# Allegro board HI3516AREFB_VER_B_PCB.brd (continued)
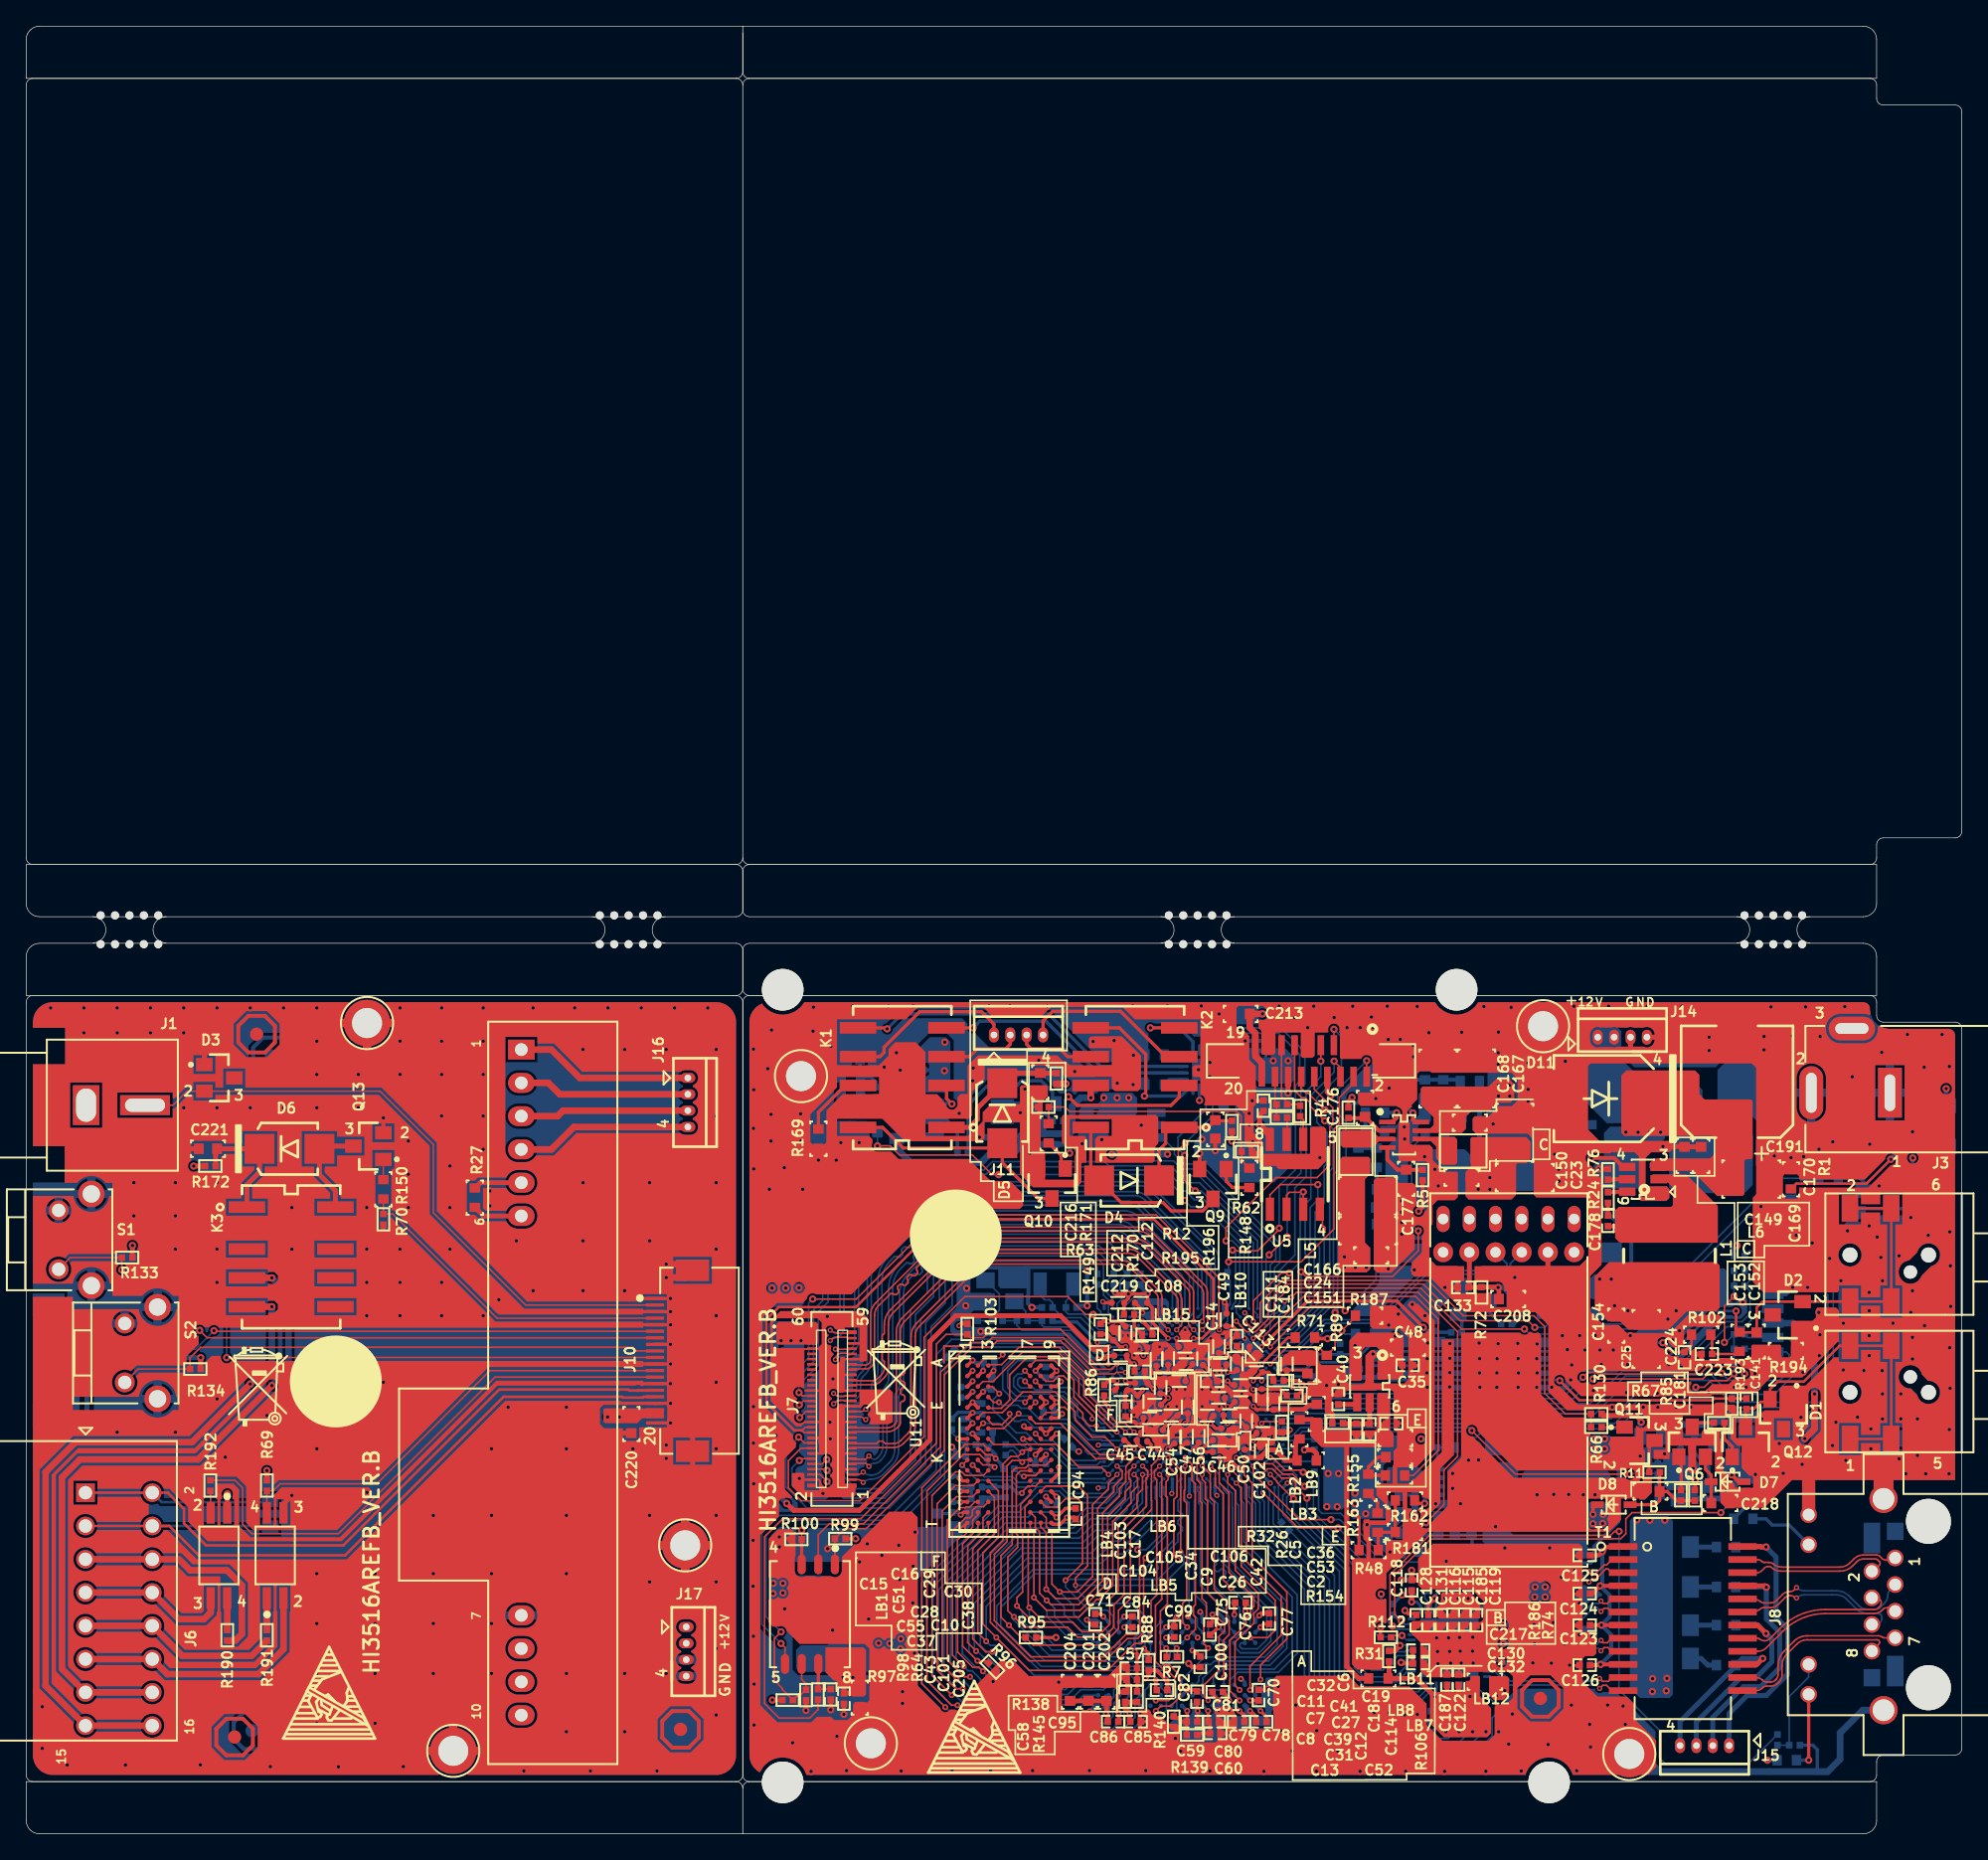
[diagram p0: board, top side]
## Routing (per net, layer and track width the routed paths; a pad name or vN(x,y) marks a point on that pad's centre or on a via; arc(x,y) is an arc through that point) (continued)
DDR3_A6: length 24.1
  TOP w0.13: U11.R8 77.86,24.12 77.86,23.47 78.29,23.03 78.29,19.06 v2(78.89,18.46) 80.22,18.46 81.39,19.64 81.39,25.12 82.61,26.34 82.61,26.77 v3(83.26,27.42)
  BOTTOM w0.13: U12.R8 82.2,15.79 80.9,15.79 79.97,16.72 79.97,17.39 v2(78.89,18.46) ; U8.C3 v3(83.26,27.42)
DDR3_A7: length 49.8
  TOP w0.13: v2(73.03,12.4) 72.71,12.72 72.25,12.72 71.08,13.88 71.08,22.43 71.39,22.74 71.57,22.74 72.25,23.41 72.25,23.95 72.64,24.34 U11.R2
  BOTTOM w0.13: U8.A5 84.89,25.39 84.46,24.96 84.46,24.61 83.01,23.16 81.59,23.16 80.62,22.19 75.69,22.19 71.46,17.95 71.46,13.74 72.52,12.67 72.76,12.67 v2(73.03,12.4) 73.26,12.17 73.26,11.46 75.3,9.42 80.2,9.42 80.97,10.19 81.97,10.19 82.35,10.58 U12.R2
DDR3_A8: length 26.4
  TOP w0.127: 83.47,26.97 83.66,27.15 83.66,27.68 v3(83.26,28.07)
  TOP w0.13: U11.T8 77.44,23.43 77.86,23.01 v2(77.86,18.67) 78.57,17.95 80.26,17.95 81.78,19.48 81.78,24.85 83.01,26.08 83.01,26.51 83.47,26.97
  BOTTOM w0.13: U8.D4 83.91,28.07 v3(83.26,28.07) ; U12.T8 81.65,15.54 80.42,15.54 79.23,16.73 79.23,17.3 v2(77.86,18.67)
DDR3_A9: length 45.4
  TOP w0.13: U11.R3 73.03,24.13 73.03,23.14 71.86,21.96 71.86,14.59 v2(72.51,13.95)
  BOTTOM w0.13: U8.A6 85.54,26.44 85.54,25.07 85.28,24.81 85.28,24.13 83.48,22.34 82.19,22.34 81.27,21.42 76.19,21.42 72.37,17.6 72.37,14.08 v2(72.51,13.95) 72.59,13.95 73.05,13.49 73.35,13.49 76.59,10.24 79.75,10.24 80.5,10.99 82.23,10.99 U12.R3
DDR3_A10: length 47.8
  TOP w0.127: 85.61,27.58 85.61,27.68 85.58,27.7
  TOP w0.13: 85.61,27.58 85.61,27.26 85.48,27.13 85.48,24.96 83.8,23.29 83.8,18.26 83.01,17.47 83.01,15.77 82.25,15.01 80.25,15.01 79.48,15.77 76.18,15.77 v2(75.39,16.56) 74.93,17.02 74.93,21.12 75.67,21.86 75.67,22.81 75.57,22.91 75.57,27.38 75.89,27.7 76.6,27.7 U11.L7 ; 85.58,27.7 v3(85.21,28.07)
  BOTTOM w0.13: v2(75.39,16.56) 75.39,16.3 78.06,13.63 80.91,13.63 81.03,13.51 85.4,13.51 85.82,13.92 85.82,14.57 U12.L7 ; U8.C6 v3(85.21,28.07)
DDR3_A11: length 30.3
  TOP w0.127: 83.66,26.58 83.94,26.85 83.94,28.04 84.18,28.29
  TOP w0.13: 84.18,28.29 84.61,28.72 v3(85.21,28.72) ; 83.66,26.58 83.45,26.36 83.45,25.78 82.16,24.49 82.16,19.32 80.35,17.5 78.21,17.5 v2(77.89,17.82) 77.35,18.36 77.35,23.06 77.02,23.39 77.02,24.16 U11.R7
  BOTTOM w0.13: U12.R7 82.17,15.02 81.57,15.02 81.37,15.21 79.87,15.21 78.49,16.58 78.49,17.21 v2(77.89,17.82) ; U8.D6 v3(85.21,28.72)
DDR3_A12: length 41.8
  TOP w0.13: v3(85.21,27.42) 85.21,26.31 84.79,25.89 84.79,24.91 83.35,23.47 83.35,18.56 82.71,17.93 82.71,16 82.13,15.41 80.6,15.41 79.86,16.16 76.86,16.16 v2(75.62,17.4) 75.62,18.03 76.06,18.46 76.06,22.88 75.9,23.03 75.9,25.14 76.64,25.88 U11.N7
  BOTTOM w0.13: v2(75.62,17.4) 76.03,16.99 76.03,16.28 78.29,14.02 81.11,14.02 81.26,13.86 83.5,13.86 U12.N7 ; U8.C7 85.86,27.42 v3(85.21,27.42)
DDR3_A13: length 44.2
  TOP w0.13: v2(73.74,13.89) 73.24,13.89 72.25,14.88 72.25,21.77 72.26,21.77 72.26,21.78 73.44,22.97 U11.T3
  BOTTOM w0.13: U12.T3 81.81,11.37 80.7,11.37 80.65,11.32 80.19,11.32 79.5,10.63 77.01,10.63 v2(73.74,13.89) 73.32,13.89 72.83,14.39 72.83,17.47 76.39,21.04 81.73,21.04 82.55,21.85 83.71,21.85 85.91,24.05 85.91,25.42 85.86,25.47 85.86,26.77 U8.B7
DDR3_A14: length 29.6
  TOP w0.127: 84.17,27.58 84.17,27.68 v3(84.56,28.07) ; 84.17,27.45 84.17,27.11 84.31,26.97
  TOP w0.13: 84.31,26.97 84.31,26.54 83.88,26.11 83.88,25.55 82.54,24.22 82.54,19.16 80.45,17.06 77.88,17.06 v2(76.92,18.03) 76.92,23.01 76.64,23.29 U11.T7 ; 84.17,27.58 84.17,27.45
  BOTTOM w0.13: v2(76.92,18.03) 77.91,17.04 77.91,16.59 79.68,14.83 81.24,14.83 81.44,14.63 81.76,14.63 U12.T7 ; U8.D5 v3(84.56,28.07)
DDR3_BA0: length 62.4
  TOP w0.13: v2(71.48,11.07) 70.95,11.07 69.53,12.49 69.53,25.2 70.92,26.58 72.28,26.58 U11.M2
  BOTTOM w0.13: U8.A3 83.59,26.02 82.43,24.86 80.91,24.86 79.76,23.72 74.73,23.72 69.63,18.62 69.63,12.49 71.05,11.07 v2(71.48,11.07) 71.48,10.64 74.61,7.51 83.24,7.51 84.64,8.91 84.64,10.2 U12.M2
DDR3_BA1: length 37.8
  TOP w0.13: v3(88.12,21.54) 88.12,27.76 v3(87.16,28.72) ; v3(80.09,18.97) 80.09,19.53 81.01,20.45 81.01,25.83 80.3,26.54 77.84,26.54 U11.N8
  BOTTOM w0.114: U8.D9 v3(87.16,28.72)
  BOTTOM w0.127: v3(80.09,18.97) 80.09,18.72 81.22,17.59 84.42,17.59 85.43,16.58 85.43,16.05 85.17,15.79 84.63,15.79 U12.N8
  BOTTOM w0.13: v3(88.12,21.54) 88.35,21.31 88.35,20.6 86.72,18.97 v3(80.09,18.97)
DDR3_BA2: length 53.3
  TOP w0.127: v3(86.51,28.07) 86.11,27.68 86.11,27.2 86.29,27.02
  TOP w0.13: 86.29,27.02 86.29,18.23 85.86,17.8 85.86,15.25 85.13,14.52 84.59,14.52 82.54,12.48 76.56,12.48 v2(74.05,14.98) 73.03,16 73.03,21.45 74.2,22.63 74.2,26.18 U11.M3
  BOTTOM w0.13: v3(86.51,28.07) 86.83,28.4 U8.D8 ; U12.M3 84.3,12.09 76.94,12.09 v2(74.05,14.98)
DDR3_CAS_N: length 72.5
  TOP w0.13: U11.K3 73.19,28.54 72.78,28.95 71.53,28.95 68.75,26.17 68.75,11.68 70.62,9.81 v2(71.08,9.81)
  BOTTOM w0.13: U12.K3 86.62,11.17 87.03,10.75 87.03,9.39 84.16,6.52 74.37,6.52 v2(71.08,9.81) 70.64,9.81 68.74,11.71 68.74,18.97 74.33,24.56 75.78,24.56 77.38,26.16 78.85,26.16 79.33,25.68 82.48,25.68 82.94,26.13 U8.A2
DDR3_CKE: length 55.2
  TOP w0.127: 85.89,27.1 85.89,24.74 85.78,24.63 ; v2(75.01,15.92) 75.95,14.98 R95.2 ; 85.89,27.77 85.89,28.1 85.91,28.12
  TOP w0.13: 85.89,27.77 85.89,27.1 ; v3(86.51,28.72) 85.91,28.12 ; R95.2 76.87,14.4 82.13,14.4 83.37,15.64 83.37,17.04 84.28,17.95 84.28,23.14 85.78,24.63 ; U11.K9 77.84,28.14 76.49,28.14 76.27,27.93 75.54,27.93 75.26,27.65 75.26,22.09 74.4,21.23 74.4,16.53 v2(75.01,15.92)
  BOTTOM w0.13: v3(86.51,28.72) 86.19,28.4 U8.D7 ; U12.K9 86.22,15.78 86.22,13.81 85.56,13.15 80.83,13.15 80.76,13.23 77.71,13.23 v2(75.01,15.92)
DDR3_CLK0_N: length 39.6
  TOP w0.127: R7.1 87.05,14.14 v2(87.02,14.18)
  BOTTOM w0.127: U12.K7 86.62,14.58 v2(87.02,14.18) 87.32,13.88 87.32,13.46 86.63,12.77 77.48,12.77 74.38,15.87 74.38,17.27 76.96,19.85 85.45,19.85 85.75,20.15 85.93,20.15 86.04,20.04 86.22,20.04 86.4,20.22 86.4,20.4 86.29,20.51 86.29,20.69 86.47,20.87 86.65,20.87 86.76,20.76 86.94,20.76 87.12,20.95 87.12,21.12 87.01,21.23 87.01,21.41 87.92,22.32 87.92,22.89 88.04,23.01 88.12,23.01 88.25,23.14 88.25,23.39 88.12,23.52 88.04,23.52 87.92,23.65 87.92,23.9 88.04,24.03 88.12,24.03 88.25,24.16 88.25,24.41 88.12,24.54 88.04,24.54 87.92,24.67 87.92,25.43 88.14,25.65 U8.A10
DDR3_CLK0_P: length 39.6
  TOP w0.127: v2(87.82,14.18) 87.87,14.13 R7.2
  BOTTOM w0.127: U8.B10 87.83,26.79 87.83,25.77 87.61,25.55 87.61,22.44 85.32,20.15 76.83,20.15 74.07,17.39 74.07,15.74 77.35,12.47 86.76,12.47 87.62,13.34 87.62,13.98 v2(87.82,14.18) 87.42,14.58 U12.J7
DDR3_CLK1_N: length 42.3
  TOP w0.127: v4(84.82,21.68) 84.98,21.52 84.98,15.48 84.72,15.21 83.93,15.21 82.23,13.51 76.66,13.51 73.9,16.28 73.9,21.33 74.86,22.3 74.86,28.09 75.27,28.49 75.91,28.49 v2(76.03,28.37) 76.2,28.54 U11.K7
  BOTTOM w0.127: v4(84.82,21.68) 85.47,21.68 86.75,22.96 86.75,25.55 86.52,25.78 86.52,26.78 U8.B8 ; v2(76.03,28.37) 75.59,28.82 75.59,28.97 75.29,29.26 75.12,29.26 R6.1
DDR3_CLK1_P: length 42.2
  TOP w0.127: v4(85.45,21.05) 85.45,21 85.29,20.84 85.29,15.35 84.84,14.91 84.05,14.91 82.35,13.2 76.54,13.2 73.59,16.15 73.59,21.46 74.56,22.42 74.56,28.22 75.14,28.8 75.7,28.8 v2(76.03,29.13) 76.21,29.31 76.61,29.31 U11.J7
  BOTTOM w0.127: v2(76.03,29.13) 75.85,29.13 75.42,29.56 74.91,29.56 R6.2 ; v4(85.45,21.05) 85.45,21.23 87.05,22.83 87.05,25.71 86.83,25.92 86.83,26.12 86.84,26.12 U8.A8
DDR3_CS0_N: length 20.5
  TOP w0.13: v2(86.22,10.18) 87.2,10.18 87.66,10.64 87.66,11.91 87.03,12.54 86.8,12.54 86.19,13.15 86.19,17.42 86.67,17.91 86.67,27.26 v3(86.51,27.42)
  BOTTOM w0.13: v3(86.51,27.42) 86.83,27.75 U8.C8 ; v2(86.22,10.18) 85.82,10.58 U12.L2
DDR3_CS1_N: length 11.3
  TOP w0.13: v2(72.24,28.14) 72.64,27.74 U11.L2
  BOTTOM w0.13: U8.B1 76.77,27.1 76.5,26.82 75.72,26.82 75.29,27.25 73.13,27.25 v2(72.24,28.14)
DDR3_DM0: length 16.1
  BOTTOM w0.114: 92.29,17.57 92.03,17.57 91.2,18.41
  BOTTOM w0.13: U8.B12 89.77,26.76 89.77,25.45 90.13,25.09 90.13,19.48 91.2,18.41 ; 92.29,17.57 92.63,17.23 92.63,16.91 92.64,16.9 92.64,16.56 92.63,16.55 92.63,15.25 92.35,14.97 92.02,14.97 91.82,14.77 91.82,14.44 91.57,14.19 91,14.19 90.89,14.31 U12.E7
DDR3_DM1: length 18.2
  TOP w0.13: v2(91.41,11.92) 91.41,14.8 91.82,15.2 91.82,16.28 91.61,16.48 91.61,17.74 90.69,18.67 90.69,25.35 90.38,25.65 90.38,27.45 v3(89.76,28.07)
  BOTTOM w0.13: U12.D3 91.41,11.38 v2(91.41,11.92) ; U8.D13 v3(89.76,28.07)
DDR3_DM2: length 16.2
  TOP w0.13: v2(77.04,32.94) 76.64,32.54 U11.E7
  BOTTOM w0.13: v2(77.04,32.94) 76.58,33.4 75.57,33.4 74.91,34.06 74.91,35.35 75.67,36.11 78.7,36.11 81.92,32.89 81.92,32.18 82.13,31.97 82.46,31.97 82.61,31.82 82.61,31.49 82.79,31.31 83.27,31.31 U8.H3
DDR3_DM3: length 12.3
  TOP w0.13: U11.D3 73.84,32.94 v2(74.25,32.94)
  BOTTOM w0.13: v2(74.25,32.94) 74.48,32.71 75.7,32.71 75.93,32.48 76.49,32.48 77.33,31.64 79.49,31.64 81.06,30.07 82.08,30.07 82.13,30.02 83.91,30.02 U8.F4
DDR3_DQ0: length 21.8
  BOTTOM w0.13: U12.E3 90.62,11.89 91.3,12.57 95.26,12.57 96.63,13.94 96.63,18.08 92.54,22.17 92.54,25.07 92.34,25.27 92.34,26.15 U8.A16
DDR3_DQ1: length 16.2
  TOP w0.13: v2(90.22,14.18) 89.89,14.51 89.89,16.39 90.08,16.58 90.08,17.62 89.75,17.95 89.75,25.24 89.62,25.37 89.62,26.77 89.36,27.02 89.36,28.32 v3(89.76,28.72)
  BOTTOM w0.13: U12.F7 90.21,14.18 v2(90.22,14.18) ; U8.D12 v3(89.76,28.72)
DDR3_DQ2: length 19.7
  TOP w0.13: v3(90.22,10.18) 89.92,10.47 89.92,11.37 91.04,12.49 91.04,15.06 91.47,15.49 91.47,15.97 90.97,16.48 90.97,17.57 90.18,18.36 90.18,25.4 90,25.57 90,26.81 89.76,27.05 v3(89.76,27.42)
  BOTTOM w0.102: U12.F2 v3(90.22,10.18)
  BOTTOM w0.13: U8.C13 v3(89.76,27.42)
DDR3_DQ3: length 13.1
  BOTTOM w0.13: U12.F8 89.55,15.64 89.39,15.8 89.39,16.4 89.09,16.7 89.09,16.94 88.76,17.27 88.76,25.26 88.4,25.62 88.4,26.03 88.45,26.09 88.45,27.41 U8.C11
DDR3_DQ4: length 24
  BOTTOM w0.13: U8.C14 91.07,27.42 91.07,26.21 91.36,25.92 91.36,21.4 95.49,17.27 95.49,14.45 94.52,13.49 89.93,13.49 88.22,11.78 U12.H3
DDR3_DQ5: length 13.7
  TOP w0.127: 88.58,25.24 88.39,25.44 88.39,25.61 ; 88.39,25.94 88.39,26.21 88.46,26.29
  TOP w0.13: 88.39,25.94 88.39,25.61 ; v2(88.62,15.78) 88.27,16.13 88.27,17.59 88.58,17.9 88.58,25.24 ; v3(88.46,28.07) 88.46,26.29
  BOTTOM w0.13: U12.H8 88.22,15.38 v2(88.62,15.78) ; U8.C10 v3(88.46,28.07)
DDR3_DQ6: length 24.1
  BOTTOM w0.13: U12.G2 89.28,10.84 89.41,10.97 91.65,10.97 91.83,11.15 91.83,11.68 92.47,12.33 95.57,12.33 97.01,13.77 97.01,18.24 92.95,22.31 92.95,25.22 92.69,25.48 U8.A17
DDR3_DQ7: length 15.5
  TOP w0.13: v3(88.46,28.72) 88.98,28.2 88.98,26.97 89.24,26.72 89.24,17.47 89.09,17.33 89.09,16.7 89.24,16.55 89.24,15.6 v2(88.62,14.98)
  BOTTOM w0.13: v2(88.62,14.98) 88.22,14.58 U12.H7 ; U8.D11 v3(88.46,28.72)
DDR3_DQ8: length 14.7
  BOTTOM w0.13: U12.D7 91,14.99 90.39,14.99 90.23,15.15 90.23,16.44 90.12,16.56 90.12,17.33 89.16,18.28 89.16,25.41 89.22,25.47 89.22,26.01 89.11,26.12 89.11,27.42 U8.C12
DDR3_DQ9: length 19.3
  TOP w0.13: v3(91.71,27.42) 91.71,26.78 92.29,26.21 92.29,20.11 94.05,18.35 94.05,17.18 93.71,16.84 93.71,16.07 92.26,14.63 92.26,11.33 v2(92.62,10.98)
  BOTTOM w0.127: v3(91.71,27.42) 91.39,27.74 U8.C15
  BOTTOM w0.13: v2(92.62,10.98) 92.22,11.38 U12.C3
DDR3_DQ10: length 12.2
  BOTTOM w0.13: U8.A12 89.44,26.15 89.48,26.1 89.48,25.26 89.62,25.12 89.62,18.97 91.66,16.93 91.66,16.72 91.81,16.58 91.81,15.78 91.95,15.64 91.95,15.64 U12.C8
DDR3_DQ11: length 21.7
  TOP w0.13: v2(92.62,10.18) 91.88,10.92 91.88,14.75 93.1,15.97 93.1,16.46 93.46,16.82 93.46,17.12 93.71,17.37 93.71,18.06 91.8,19.96 91.8,26.06 91.06,26.8 v3(91.06,28.72)
  BOTTOM w0.13: U12.C2 92.22,10.58 v2(92.62,10.18) ; U8.D15 v3(91.06,28.72)
DDR3_DQ12: length 15.6
  TOP w0.13: v3(92.36,26.77) 92.74,26.39 92.74,20.42 95.33,17.83 95.33,15.54 94.77,14.98 v2(93.41,14.98)
  BOTTOM w0.13: U8.B16 92.04,27.1 v3(92.36,26.77) ; U12.A7 v2(93.41,14.98)
DDR3_DQ13: length 20.8
  TOP w0.13: v2(93.41,10.98) 93.41,12.78 95.79,15.16 95.79,18.13 93.15,20.77 93.15,26.63 v3(91.71,28.07)
  BOTTOM w0.13: U12.A2 93.81,10.58 v2(93.41,10.98) ; U8.C16 v3(91.71,28.07)
DDR3_DQ14: length 14.7
  TOP w0.13: v3(90.41,28.07) 90.76,27.72 90.76,26.59 91.37,25.98 91.37,19.37 v4(91.97,18.78)
  BOTTOM w0.127: U12.B8 93.43,15.79 93.43,16.56 93.63,16.76 93.63,17.12 91.97,18.78 v4(91.97,18.78)
  BOTTOM w0.13: U8.D14 v3(90.41,28.07)
DDR3_DQ15: length 20.4
  TOP w0.13: v2(94.22,11.78) 94.22,12.87 96.22,14.88 96.22,18.46 93.58,21.1 93.58,26.77 92.97,27.38 92.97,28.11 v3(92.36,28.72)
  BOTTOM w0.102: U8.D16 v3(92.36,28.72)
  BOTTOM w0.13: U12.A3 v2(94.22,11.78)
DDR3_DQ16: length 16.2
  TOP w0.13: U11.E3 73.5,32.48 74.43,32.48 75.06,33.12 75.06,35.02 76.46,36.42 78.67,36.42 80.35,34.74 80.35,33.4 83.08,30.67 83.26,30.67 v3(83.26,30.67)
  BOTTOM w0.13: U8.G3 v3(83.26,30.67)
DDR3_DQ17: length 9.1
  TOP w0.13: U11.F7 77.06,31.32 78.93,31.32 81.63,28.62 83.81,28.62 v3(83.91,28.72)
  BOTTOM w0.13: U8.D3 v3(83.91,28.72)
DDR3_DQ18: length 14.1
  TOP w0.13: v3(83.26,29.37) 82.36,30.27 81.36,30.27 80.07,31.57 80.07,32.2 78.55,33.72 76.07,33.72 74.51,32.15 73.05,32.15 U11.F2
  BOTTOM w0.13: U8.F3 v3(83.26,29.37)
DDR3_DQ19: length 9.5
  TOP w0.13: v3(83.91,29.37) 83.47,28.93 81.95,28.93 79.59,31.29 79.59,32.23 79.26,32.56 78.95,32.56 78.54,32.15 77.85,32.15 U11.F8
  BOTTOM w0.13: U8.E4 v3(83.91,29.37)
DDR3_DQ20: length 10.8
  TOP w0.13: U11.H3 73.86,29.72 76.26,29.72 76.27,29.73 78.6,29.73 80.35,27.99 82.04,27.99 v3(82.61,27.42)
  BOTTOM w0.13: U8.C2 v3(82.61,27.42)
DDR3_DQ21: length 8.2
  TOP w0.127: U11.H8 77.44,30.14 v2(77.04,30.54)
  BOTTOM w0.13: v2(77.04,30.54) 77.56,30.02 78.37,30.02 79.89,28.49 81.62,28.49 81.85,28.72 83.26,28.72 U8.E3
DDR3_DQ22: length 12.3
  TOP w0.13: U11.G2 72.65,30.94 v2(73.04,31.33)
  BOTTOM w0.13: U8.C1 82.08,27.53 76.91,27.53 76.49,27.96 76.49,29.31 76.16,29.64 75.99,29.64 74.29,31.33 v2(73.04,31.33)
DDR3_DQ23: length 8.6
  TOP w0.127: v2(76.09,30.14) 76.64,30.14 U11.H7
  BOTTOM w0.13: U8.D2 82.6,28.06 82.15,28.06 81.97,27.89 79.56,27.89 78.09,29.36 76.87,29.36 v2(76.09,30.14)
DDR3_DQ24: length 16.3
  TOP w0.13: U11.D7 76.64,33.34 v2(76.24,32.94)
  BOTTOM w0.13: U8.J3 83.26,31.98 83.26,33.08 83.24,33.09 83.24,33.09 83.07,33.27 82,33.27 78.85,36.42 75.42,36.42 74.53,35.53 74.53,33.93 75.39,33.07 76.11,33.07 v2(76.24,32.94)
DDR3_DQ25: length 12.8
  TOP w0.13: v2(74.27,33.6) 73.73,34.14 U11.C3
  BOTTOM w0.13: v2(74.27,33.6) 73.79,33.12 73.79,32.38 75.57,30.6 76.33,30.6 77.25,29.69 78.27,29.69 79.81,28.14 81.72,28.14 81.98,28.4 U8.D1
DDR3_DQ26: length 7
  TOP w0.13: v2(77.04,34.54) 77.44,34.14 U11.C8
  BOTTOM w0.13: U8.J1 82.12,31.65 79.71,34.06 78.7,34.06 78.49,34.26 77.32,34.26 v2(77.04,34.54)
DDR3_DQ27: length 16.1
  TOP w0.13: U11.C2 73.02,34.52 73.8,34.52 76.03,36.75 78.77,36.75 80.73,34.79 80.73,33.45 83.09,31.09 83.49,31.09 v3(83.91,30.67)
  BOTTOM w0.13: v3(83.91,30.67) 84.24,30.99 U8.H4
DDR3_DQ28: length 9.5
  TOP w0.13: U11.A7 77.04,36.14 78.47,36.14 79.97,34.64 79.97,33.32 81.36,31.92 v3(81.36,31.67)
  BOTTOM w0.13: U8.H2 82.78,31 82.46,31.31 82.08,31.31 81.72,31.67 v3(81.36,31.67)
DDR3_DQ29: length 15
  TOP w0.13: U11.A2 73.19,36.29 74.25,36.29 v2(74.53,36.57)
  BOTTOM w0.127: U8.J4 84,31.88 83.9,31.98 83.9,33.09 83.73,33.27 83.45,33.27 83.27,33.45 83.27,33.78 83.13,33.91 81.84,33.91 78.95,36.8 74.76,36.8 v2(74.53,36.57)
DDR3_DQ30: length 7.9
  TOP w0.13: U11.B8 77.84,34.54 78.4,34.54 78.8,34.95 79.18,34.95 79.59,34.54 79.59,33.17 80.65,32.1 80.65,31.64 81.16,31.14 v3(81.69,31.14)
  BOTTOM w0.13: U8.H1 81.84,31 v3(81.69,31.14)
DDR3_DQ31: length 15.6
  TOP w0.13: U11.A3 73.51,35.81 74.46,35.81 75.78,37.13 78.85,37.13 81.11,34.87 81.11,33.5 83.27,31.34 83.89,31.34 v3(84.56,30.67)
  BOTTOM w0.13: v3(84.56,30.67) 84.24,30.35 U8.G4
DDR3_DQS0_N: length 22.8
  BOTTOM w0.114: U8.A15 91.39,26.27 91.78,25.87 91.78,24.91 91.76,24.89 91.76,24.87
  BOTTOM w0.127: U12.G3 89.24,11.38 89.51,11.65 89.51,12 89.88,12.38 89.88,12.55 89.81,12.63 89.81,12.81 89.99,12.99 90.17,12.99 90.24,12.91 90.42,12.91 90.69,13.18 94.8,13.18 95.92,14.3 95.92,17.6 91.76,21.75 91.76,24.87
DDR3_DQS0_P: length 22.8
  BOTTOM w0.114: 92.07,24.87 92.07,24.89 92.05,24.91 92.05,25.99 91.73,26.31 91.73,26.75 U8.B15
  BOTTOM w0.127: U12.F3 89.82,11.88 90.81,12.88 94.93,12.88 96.22,14.17 96.22,17.73 92.07,21.88 92.07,24.87
DDR3_DQS1_N: length 18.1
  BOTTOM w0.127: U12.B7 92.77,14.58 92.64,14.45 92.64,14.28 92.8,14.12 93.99,14.12 94.7,14.83 94.7,16.89 92.1,19.49 91.92,19.49 91.68,19.25 91.5,19.25 91.32,19.43 91.32,19.61 91.56,19.85 91.56,20.03 91.38,20.21 91.2,20.21 91.02,20.03 90.84,20.03 90.66,20.21 90.66,20.39 90.84,20.57 90.84,20.75 90.63,20.95 90.63,25.07 90.09,25.61 U8.A13
DDR3_DQS1_P: length 18.1
  BOTTOM w0.127: U8.B13 90.4,26.78 90.4,26.31 90.39,26.3 90.39,25.74 90.94,25.19 90.94,21.08 95,17.01 95,14.7 94.11,13.81 92.67,13.81 92.34,14.15 92.34,14.45 U12.C7
DDR3_DQS2_N: length 11.3
  TOP w0.127: v2(75.75,32.07) 75.74,32.07 74.61,30.94 U11.G3
  BOTTOM w0.114: U8.E2 82.62,29.36 82.05,29.36 81.98,29.3 81.48,29.3
  BOTTOM w0.127: v2(75.75,32.07) 75.92,31.9 76.46,31.9 77.05,31.31 79.36,31.31 81.38,29.3 81.48,29.3
DDR3_DQS2_P: length 11.2
  TOP w0.127: U11.F3 73.44,31.57 73.76,31.24 74.49,31.24 75.06,31.82 v2(75.06,32.05)
  BOTTOM w0.114: U8.E1 82.15,29.05 82.11,29 81.48,29
  BOTTOM w0.127: v2(75.06,32.05) 75.06,31.87 75.45,31.49 75.85,31.49 75.95,31.59 76.34,31.59 76.92,31.01 79.23,31.01 80.83,29.41 80.83,29.23 81.07,28.99 81.25,28.99 81.26,29 81.48,29
DDR3_DQS3_N: length 11.3
  TOP w0.127: v2(76.24,35.34) 76.64,34.94 U11.B7
  BOTTOM w0.114: 81.48,30.44 81.61,30.44 81.67,30.38 82.25,30.38 U8.G1
  BOTTOM w0.127: 81.48,30.44 81.3,30.44 80.2,31.54 79.94,31.8 79.94,32.61 79.13,33.42 78.29,33.42 78.14,33.57 76.89,33.57 76.74,33.73 75.8,33.73 75.37,34.16 75.37,34.79 75.68,35.09 75.99,35.09 v2(76.24,35.34)
DDR3_DQS3_P: length 11.2
  TOP w0.127: U11.C7 76.64,34.14 v2(76.24,34.54)
  BOTTOM w0.114: U8.G2 82.6,30.68 81.77,30.68 81.71,30.74 81.49,30.74 81.48,30.75
  BOTTOM w0.127: 81.48,30.75 81.42,30.75 80.86,31.31 80.86,31.54 80.65,31.75 80.42,31.75 80.25,31.92 80.25,32.74 79.26,33.73 78.42,33.73 78.26,33.88 77.02,33.88 76.87,34.03 75.93,34.03 75.67,34.29 75.67,34.66 75.8,34.79 75.99,34.79 v2(76.24,34.54)
DDR3_ODT_0: length 22.7
  TOP w0.13: v2(86.22,9.37) 86.59,9.75 87.36,9.75 88.09,10.49 88.09,12.06 87.26,12.9 86.82,12.9 86.57,13.15 86.57,16.99 87.1,17.52 87.1,25.68 87,25.78 87,26.87 87.16,27.03 v3(87.16,27.42)
  BOTTOM w0.13: v2(86.22,9.37) 86.62,9.77 U12.K1 ; v3(87.16,27.42) 87.66,27.42 87.83,27.59 87.83,28.09 87.91,28.17 U8.D10
DDR3_ODT_1: length 13
  TOP w0.13: U11.K1 71.84,28.54 v2(71.44,28.14)
  BOTTOM w0.13: U8.B2 82.89,27.04 82.68,27.04 82.42,26.78 82.15,26.78 82.14,26.79 76.92,26.79 76.59,26.46 75.7,26.46 75.17,27 72.58,27 v2(71.44,28.14)
DDR3_RAS_N: length 76.2
  TOP w0.13: U11.J3 73.04,29.74 71.69,29.74 68.36,26.42 68.36,11.45 v2(70.15,9.66)
  BOTTOM w0.13: U12.J3 87.82,10.98 87.82,9.42 84.41,6.02 73.8,6.02 v2(70.15,9.66) 68.33,11.48 68.33,19.15 74.2,25.02 75.68,25.02 77.15,26.49 78.97,26.49 79.47,25.98 82.33,25.98 82.61,26.26 82.61,26.59 82.79,26.77 83.15,26.77 83.36,26.98 83.48,27.1 U8.B3
DDR3_RESET_N: length 46.8
  TOP w0.13: U11.T2 72.64,23.3 71.47,22.13 71.47,14.33 v2(72.6,13.2) 73.29,13.2 R96.2
  BOTTOM w0.13: U12.T2 80.72,10.58 80,9.86 76.39,9.86 73.15,13.1 72.7,13.1 v2(72.6,13.2) 71.97,13.84 71.97,17.83 75.94,21.8 80.84,21.8 81.8,22.75 83.22,22.75 84.87,24.41 84.87,24.94 85.2,25.27 85.2,26.76 U8.B6
DDR3_WE_N: length 69
  TOP w0.13: v2(70.65,10.59) 69.14,12.09 69.14,25.82 70.95,27.63 71.41,27.63 71.69,27.35 73.05,27.35 U11.L3
  BOTTOM w0.13: U8.C4 84.19,27.75 83.9,27.45 83.9,26.92 83.75,26.77 83.48,26.77 83.27,26.56 83.27,26.08 82.46,25.27 79.81,25.27 79.1,24.56 76.84,24.56 76.46,24.18 74.53,24.18 69.2,18.84 69.2,12.04 v2(70.65,10.59) 70.67,10.56 70.93,10.56 74.46,7.03 83.52,7.03 85.45,8.96 85.45,9.05 85.45,9.39 85.4,9.44 85.4,10.96 U12.L3
DDR3_ZQ: length 2.1
  TOP w0.254: R86.2 82.28,32.95 v3(82.61,32.62)
  BOTTOM w0.13: U8.J2 82.94,31.82 82.61,32.15 v3(82.61,32.62)
DRV: length 6.9
  TOP w0.254: v1(70.66,55.71) 70.25,56.12 K1.2
  BOTTOM w0.254: C135.2 R38.2 67.36,57 68.6,55.76 U15.7 70.61,55.76 v1(70.66,55.71)
DRV-: length 5.2
  TOP w0.254: R169.2 60.47,55.07 62.51,57.12 K1.7
DVR-/B-_GREEN: length 13.2
  TOP w0.254: K1.6 65.15,59.32 65.48,59.64 65.48,60.03 68.2,62.75 72.91,62.75 73.86,61.8 J11.1
DVR/A-_WHITE: length 6
  TOP w0.254: K1.3 72,59.32 72.6,59.91 74.76,59.91 75.11,60.27 J11.2
EPHY_CLK: length 18.5
  BOTTOM w0.127: R22.1 98.65,27.3 98.65,24.72 98.91,24.45 100.34,24.45 104.04,20.75 107.48,20.75 107.95,20.27 108.67,20.27 109.08,19.86 109.08,18.55 108.8,18.27 108.8,17.83 108.43,17.46 U2.42
EPHY_RSTN: length 24.3
  TOP w0.127: v1(97.47,27.6) 97.31,27.76 96.1,27.76 95.13,28.72 v3(94.96,28.72)
  BOTTOM w0.114: U8.D20 v3(94.96,28.72)
  BOTTOM w0.127: v1(97.47,27.6) 98.25,26.81 98.25,24.56 102.14,20.67 102.14,13.65 102.08,13.59 102.08,13.18 102.09,13.16 102.09,13.1 102.7,12.49 103.57,12.49 C192.1 104.67,13.6 U2.29
FLASH: length 52.4
  TOP w0.508: J6.14 J6.13 2.73,12.59 2.73,27.2 4.1,28.57 13.11,28.57 v1(18.75,34.21) ; K3.3 v1(18.75,42.43)
  BOTTOM w0.508: v1(18.75,34.21) 20.02,35.48 20.02,41.16 v1(18.75,42.43)
FLASH_COM: length 52.6
  TOP w0.508: K3.4 v1(18.75,40.23) ; J6.16 J6.15 1.48,11.3 1.48,27.61 3.77,29.89 12.66,29.89 v1(17.1,34.33)
  BOTTOM w0.508: v1(17.1,34.33) 18.75,35.98 v1(18.75,40.23)
FLASH_CON: length 25.2
  TOP w0.127: J10.4 35.93,39.36 27.98,47.31 R70.2 R150.1
FLASH_TRIG: length 22.2
  TOP w0.127: v1(91.78,43.66) 97.32,43.66 99.82,46.16 99.82,53.77 100.24,54.19 100.24,56.21 101.32,57.29 J9.4
  BOTTOM w0.127: R25.1 91.78,42.93 v1(91.78,43.66)
GPIO1: length 21.1
  TOP w0.127: v1(89.24,49.07) 88.43,49.88 v1(88.43,51.79)
  BOTTOM w0.127: U8.AA19 93.99,39.62 93.66,39.95 93.66,45.11 89.7,49.07 v1(89.24,49.07) ; U13.14 90.06,55.3 87.92,53.16 87.92,52.29 v1(88.43,51.79)
GPIO2: length 20.6
  TOP w0.127: v1(88.48,52.73) 87.94,52.19 87.94,48.81 v1(88.41,48.34)
  BOTTOM w0.127: v1(88.48,52.73) 90.56,54.81 U13.13 ; v1(88.41,48.34) 88.9,47.85 89.87,47.85 92.97,44.75 92.97,40.38 U8.AB17
GPIO3: length 30.3
  TOP w0.127: v1(96.25,45.56) v1(94.88,44.19)
  BOTTOM w0.127: U8.AB20 94.64,43.95 v1(94.88,44.19) ; v1(96.25,45.56) 96.25,49.4 97.29,50.44 97.29,56.94 97.6,57.26 97.6,59.67 95.76,61.51 90.99,61.51 90.06,60.58 U13.7
GPIO4: length 31.1
  TOP w0.127: v1(95.64,46.22) 95.64,46.14 94,44.5 92.13,44.5 v1(92.08,44.55)
  BOTTOM w0.127: U8.AB16 92.11,40.17 92.11,40.38 92.31,40.58 92.31,44.32 v1(92.08,44.55) ; v1(95.64,46.22) 95.64,49.45 96.88,50.69 96.88,57.11 97.2,57.42 97.2,59.5 95.59,61.11 91.24,61.11 90.56,60.42 U13.8
GPIO5: length 20.5
  TOP w0.127: R149.1 78.05,54.21 R63.2 79.3,55.47 79.64,55.14 92.4,55.14 92.73,54.81 92.73,52.11 R62.2 92.77,51.4 R148.1
HI3516A_ALARM_IN: length 23.9
  TOP w0.127: J9.12 97.32,56.92 97.71,56.52 97.85,56.52 v1(99.12,55.26)
  BOTTOM w0.127: U8.V22 96.84,37.5 99.78,40.43 99.78,50.31 100.29,50.82 100.29,54.09 v1(99.12,55.26)
HI3516A_ALARM_OUT: length 26.6
  TOP w0.127: v1(99.12,54.43) 98,55.55 98,55.8 97.62,56.18 97.37,56.18 96.82,56.73 J9.13
  BOTTOM w0.127: v1(99.12,54.43) 99.75,53.79 99.75,50.86 99.49,50.59 99.49,40.55 96.76,37.82 95.61,37.82 U8.V21
I2C2_SCL: length 19.9
  BOTTOM w0.127: R56.1 85.58,52.82 85.9,53.14 U16.3 86.72,53.14 87.64,52.21 87.64,51.86 88.37,51.13 89.62,51.13 95.69,45.06 95.69,43.58 95.29,43.18 U8.AB21
I2C2_SDA: length 21.3
  BOTTOM w0.127: U8.AA20 94.64,39.61 94.95,39.92 94.95,43.4 95.38,43.84 95.38,44.85 89.49,50.75 88.19,50.75 87.57,51.37 85,51.37 R57.1 84.49,52.82 84.17,53.14 U16.4
IRCUT_CONTROL_1: length 60.1
  TOP w0.127: J7.34 59.31,33.03 v1(59.01,32.74)
  BOTTOM w0.13: U8.Y20 94.32,39.11 94.32,45.41 89.5,50.23 88.1,50.23 87.34,50.99 82.62,50.99 82.3,51.3 73.74,51.3 73.11,50.67 66.14,50.67 60.8,45.33 60.8,40.69 60.1,40 60.1,36.04 58.4,34.34 58.4,33.35 v1(59.01,32.74)
IRCUT_CONTROL_2: length 56.2
  TOP w0.127: v1(58.99,33.68) 59.23,33.43 J7.36
  BOTTOM w0.13: U8.AB19 93.99,45.26 89.55,49.7 87.94,49.7 86.97,50.66 82.18,50.66 81.93,50.91 73.84,50.91 73.26,50.34 66.28,50.34 61.2,45.26 61.2,40.59 60.46,39.85 60.46,35.76 58.99,34.29 v1(58.99,33.68)
LED0_ACTIVE/PHY_AD0: length 54.4
  TOP w0.127: v1(121.58,23.08) 121.24,23.08 120.94,22.78 107.09,22.78 104.1,19.79 104.1,16.05 v1(104.3,15.85)
  BOTTOM w0.127: R45.2 131.37,5.28 125.18,5.28 124.65,5.81 124.65,7.91 121.57,10.99 121.57,23.03 121.58,23.04 v1(121.58,23.08) ; U2.34 105.73,15.62 104.53,15.62 v1(104.3,15.85) 104.01,16.14 104.01,16.14 R111.1
LED1: length 53.6
  TOP w0.127: v3(92.36,39.12) 93.16,38.32 93.84,38.32 94.8,39.29 94.8,40.61 96.15,41.96 106.64,41.96 109.43,39.16 114.64,39.16 v1(115.15,38.65)
  BOTTOM w0.127: U8.Y17 v3(92.36,39.12) ; R131.2 133.64,50.03 122.51,38.91 116.16,38.91 115.91,38.65 v1(115.15,38.65)
  BOTTOM w0.254: R131.2 136.81,50.03 R177.1
LED1_LINKE/PHY_AD1: length 34.1
  TOP w0.127: v1(104.96,16.25) 104.45,16.76 104.45,19.75 107.21,22.5 121.05,22.5 121.08,22.53 121.72,22.53 122.1,22.91 122.1,24.04 122.57,24.51 v1(129.35,24.51)
  BOTTOM w0.127: U2.35 105.22,16 v1(104.96,16.25) 104.78,16.25 R121.1 ; R44.2 130,25.17 v1(129.35,24.51)